# KiCad board uC_TP_Boussole_mb.kicad_pcb (continued)
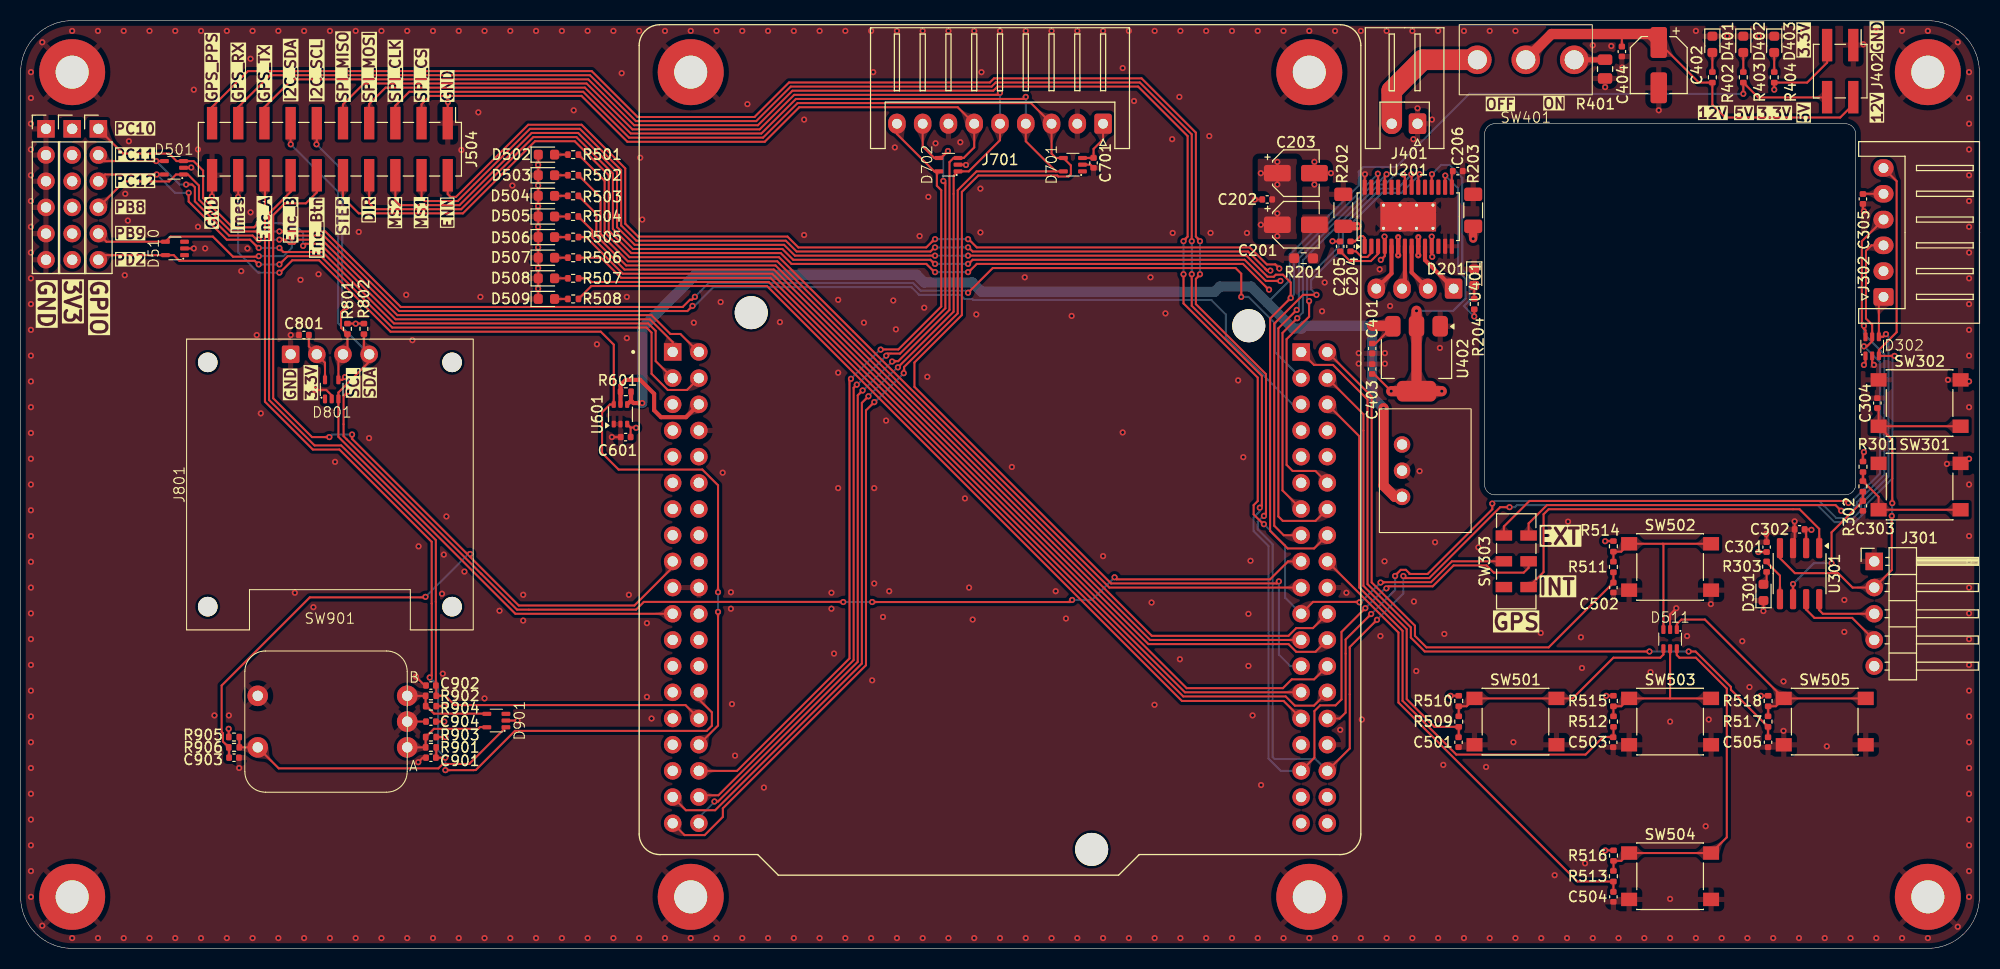
[diagram p0: board, top side]
## Routing (per net, layer and track width the routed paths; a pad name or vN(x,y) marks a point on that pad's centre or on a via; arc(x,y) is an arc through that point) (continued)
Net-(SW401-C): length 3
  Top w0.2: 153.68,86.2 R401.1
  Top w0.5: SW401.3 153.68,86.2
Net-(U201-5VOUT): length 1.6
  Top w0.2: C206.2 138.82,75.31 U201.15
Net-(U201-BRA): length 9.7
  Top w0.4: v2(133.62,68.99) U201.6 133.62,67.23
  Top w0.6: v2(133.63,67.23) 133.62,67.23
  Top w0.8: R202.1 128.31,70.06 v1(129.68,70.06)
  In2.Cu w0.8: v2(133.63,67.23) 133.62,67.23 133.62,68.08 ; 133.62,68.08 131.66,68.08 v1(129.68,70.06) ; 133.62,68.08 v2(133.62,68.99)
Net-(U201-BRB): length 10.3
  Top w0.4: 135.57,68.99 U201.9 135.57,67.23
  Top w0.6: v2(135.57,67.23) 135.57,67.23 ; 135.57,68.99 v2(135.58,68.99)
  Top w0.8: v1(140.9,68.84) R203.1
  In2.Cu w0.8: 135.58,68.15 135.58,67.23 v2(135.57,67.23) ; 135.58,68.15 140.21,68.15 v1(140.9,68.84) ; 135.58,68.15 v2(135.58,68.99)
Net-(U201-CPI): length 3.1
  Top w0.2: U201.2 131.03,67.46 130.64,67.08 130.07,67.08 129.53,67.62 C204.1
Net-(U201-CPO): length 2.5
  Top w0.2: C204.2 129.43,68.58 129.95,69.1 130.2,69.1 130.38,68.92 U201.1
Net-(U201-DIAG): length 20.2
  Top w0.2: v1(136.9,75.1) 136.88,75.08 U201.18 ; R204.2 v1(141,61.3)
  Bottom w0.2: v1(141,61.3) 139.99,62.31 140.55,62.87 140.55,65.13 139.84,65.84 139.84,74.76 138.6,76 137.8,76 v1(136.9,75.1)
Net-(U201-VCP): length 5.1
  Top w0.2: C205.2 128.94,66.67 130.97,66.67 131.68,67.38 131.68,68.11

## Copper pours and planes (outline as drawn; the poured copper is in the pictures)
+3.3V on In1.Cu: 0,90 190,90 190,0 0,0
+12V on Top: 120,68.8 123.8,68.8 123.8,76.6 120,76.6
+12V on In1.Cu: 160,90 160,80 143,80 142,79 141.9,66 120,66 120,90
GND on Top, Bottom, In2.Cu: 0,90 190,90 190,0 0,0
Net-(C201-Pad2) on Top: 127,71.2 124,71.2 124,69.2 124.9,66.4 125.9,66.4 127,69.2

Small or netless copper shapes (teardrops, artwork), in the pictures only: 522 on Top, 125 on Bottom, 9 on In1.Cu

## Text on the board
F.Silkscreen: PC10 | PC11 | PC12 | PB8 | PB9 | PD2 | ON | OFF | 12V | 5V | 3.3V | GPS_PPS | GPS_RX | GPS_TX | I2C_SDA | I2C_SCL | SPI_MISO | SPI_MOSI | SPI_CLK | SPI_CS | GND | Imes | Enc_A | Enc_B | Enc_Btn | STEP | DIR | MS2 | MS1 | ENN | GPS | EXT | INT | 3V3 | GPIO
